# Altium PCB Task with ESP32.PcbDoc
Units mm, origin at the board's own origin, x right, y up, seen from the top; angles counter-clockwise.
Board outline 100 x 45 mm, 3 copper layers (Top Layer, Mid-Layer 2, Bottom Layer), stack 1.927 mm thick; 62 components, 55 nets, 251 pads, 129 vias.
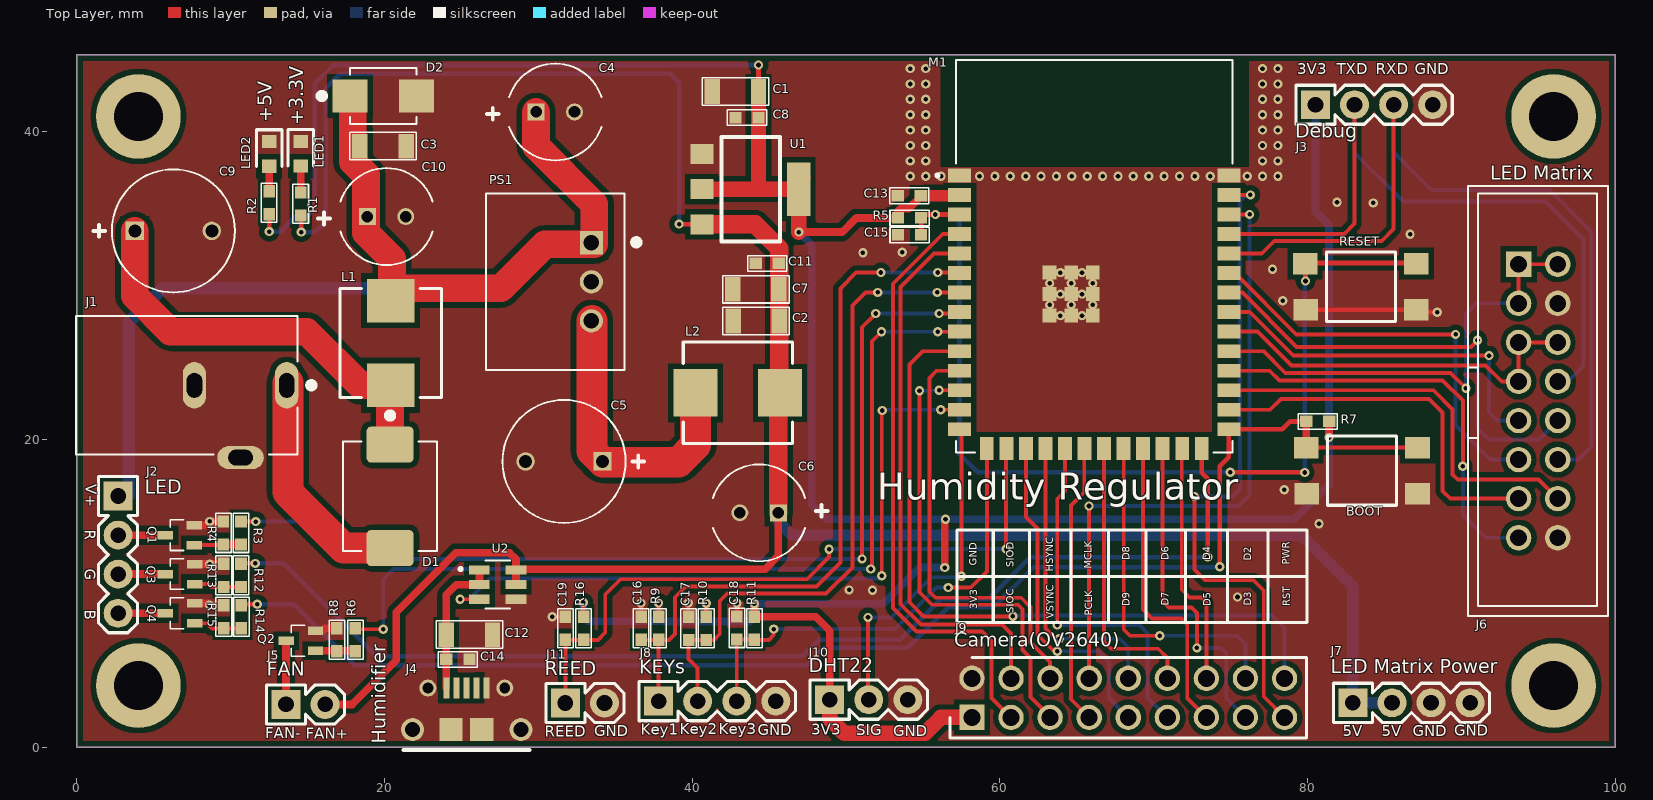
[diagram p0: Top Layer view]
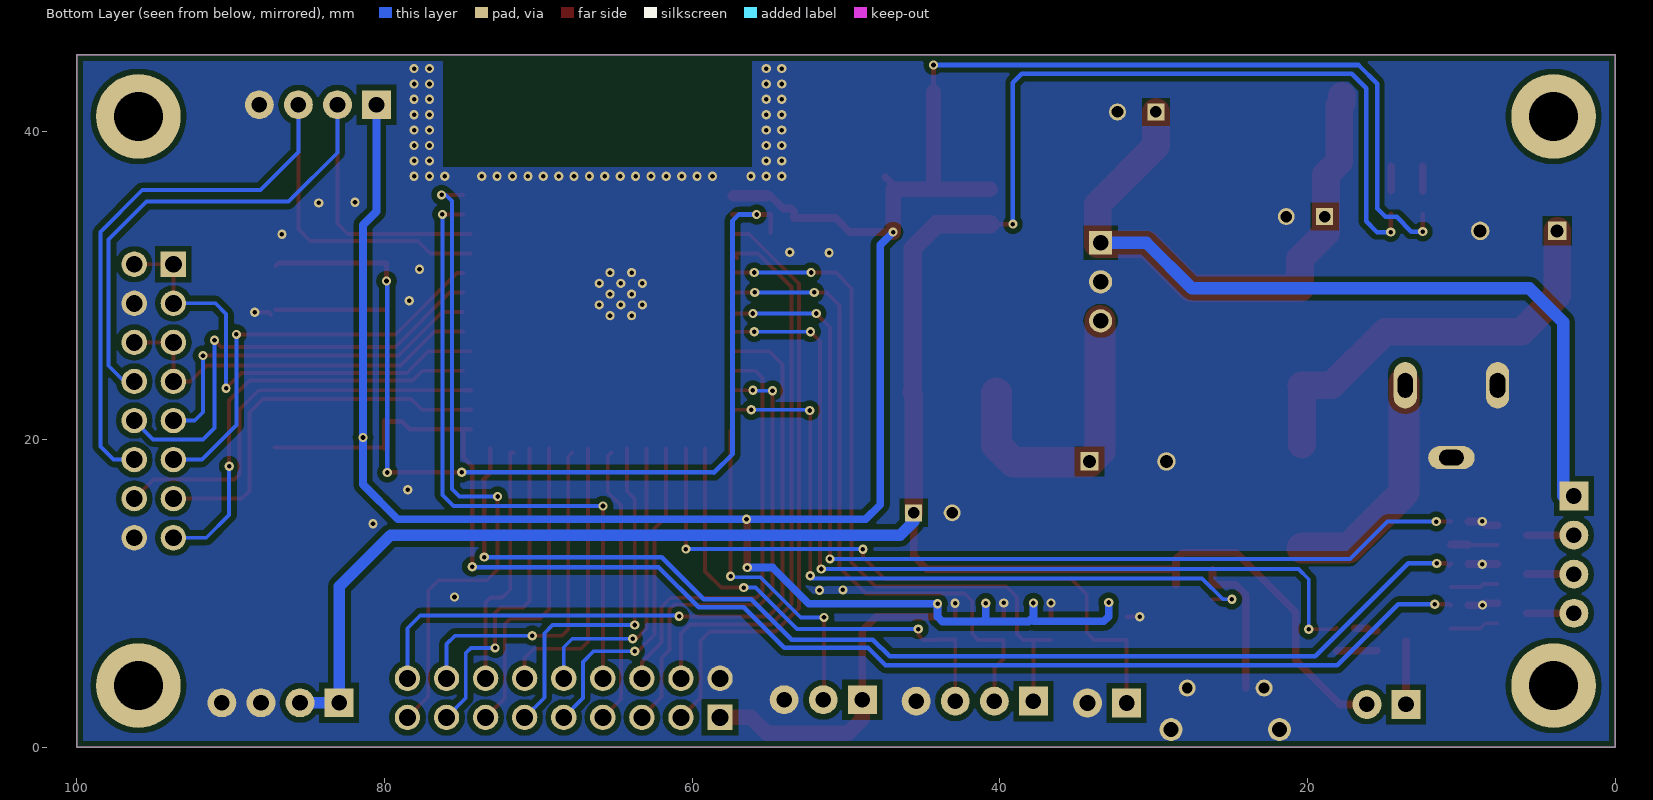
[diagram p1: Bottom Layer view, seen from below]
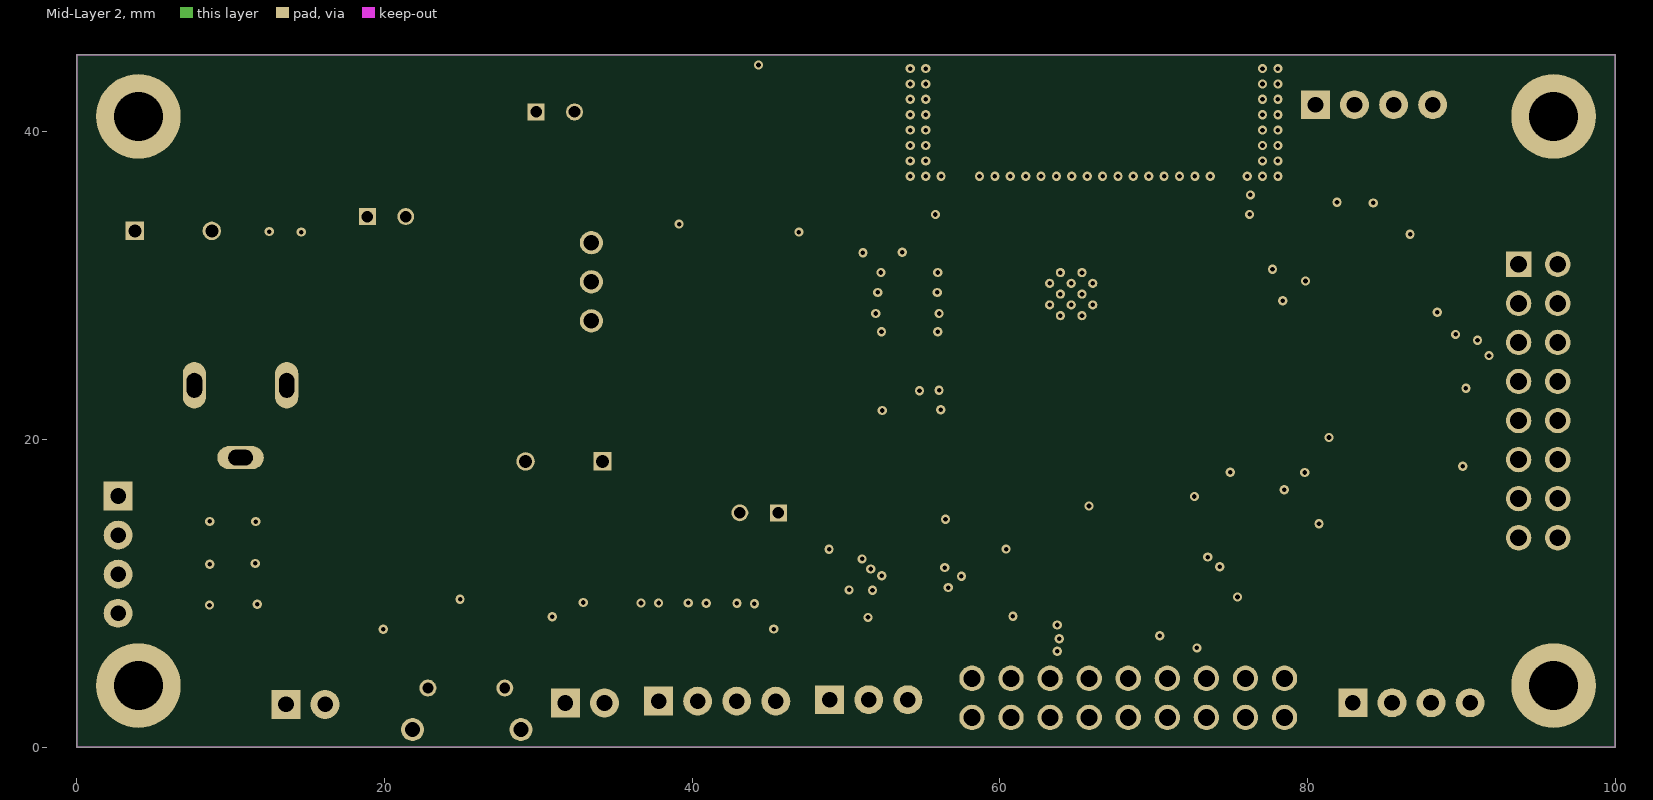
[diagram p2: Mid-Layer 2]
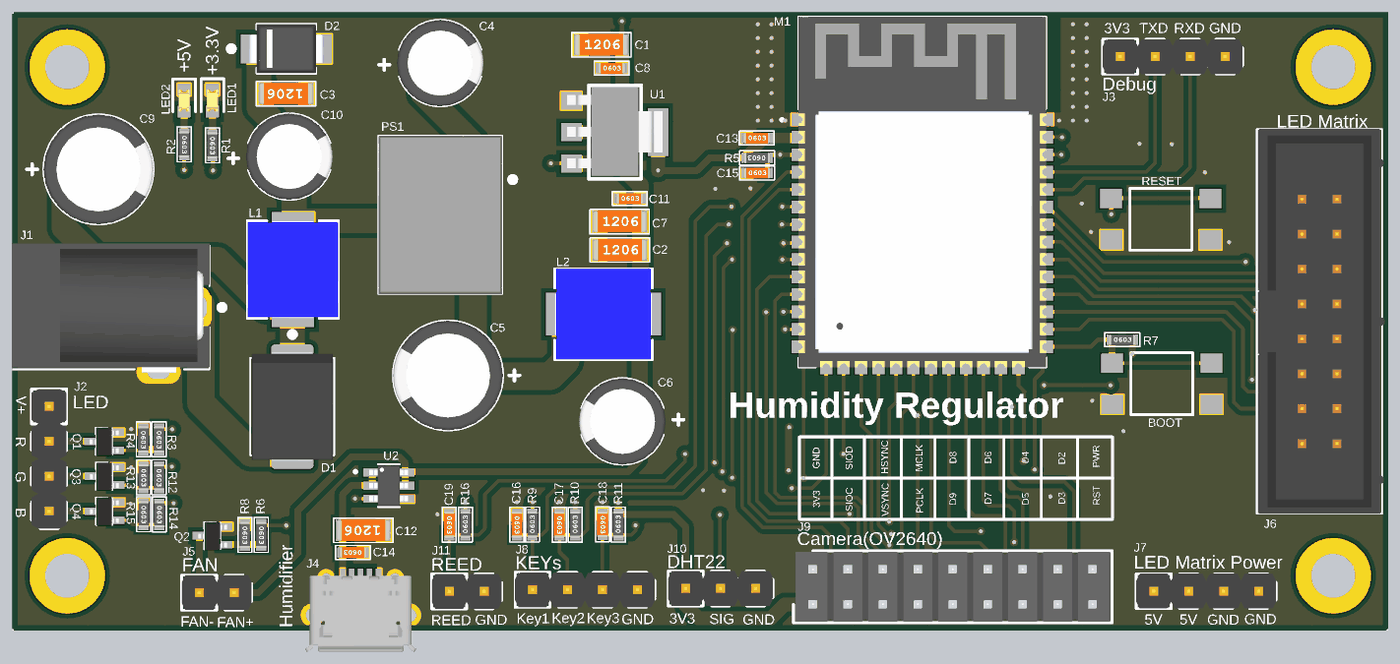
[diagram p3: 3D render of the assembled board from above, using the file's embedded part models]

## Layer stack, top to bottom
Top Solder: solder mask 0.0102, Solder Resist, Dk 3.5
Top Layer: signal copper 0.0356
Dielectric 1: dielectric 1.5, FR-4, Dk 4.8
Mid-Layer 2: signal copper 0.0356
Dielectric2: dielectric 0.32, FR-4, Dk 4.8
Bottom Layer: signal copper 0.0356
Bottom Solder: solder mask 0.0102, Solder Resist, Dk 3.5

## Board outline
0,0 100,0 100,45 0,45

## Design rules (kind name [scope] priority, off if disabled: settings)
AssemblyTestPointUsage AssemblyTestPointUsage_1 [All] p1:
AssemblyTestpoint AssemblyTestpoint_1 [All] p1: testpointundercomponent=TRUE minsize=1.016 maxsize=2.54 preferedsize=1.524 minholesize=0 maxholesize=1.016 preferedholesize=0.813 testpointgrid=0.025 usegrid=TRUE gridtolerance=0 allowsidetop=TRUE allowsidebottom=TRUE
Clearance Clearance_Breakout [isVia and (ViaDiameter=0.1) or isPad vs OnLayer('Keep-Out Layer')] p1: gap=0 ignorepadtopadclearanceinfootprint=FALSE
Clearance Clearance_1 [All] p2: gap=0.35 ignorepadtopadclearanceinfootprint=FALSE except(0.2: Arc-Arc Arc-Track Arc-SMDPad Arc-THPad Arc-Via Track-Track Track-SMDPad Track-THPad Track-Via SMDPad-SMDPad SMDPad-THPad SMDPad-Via THPad-THPad THPad-Via Via-Via)
ComponentClearance ComponentClearance_1 [All] p1: gap=0.254 collisioncheckmode=3 verticalgap=0.254 showdistances=FALSE
DiffPairsRouting DiffPairsRouting_1 [All] p1: maxlimit=0.254 minlimit=0.254 mostfreqgap=0.254 toplayer_minwidth=0.381 toplayer_maxwidth=0.381 toplayer_prefwidth=0.381 midlayer2_minwidth=0.381 midlayer2_maxwidth=0.381 midlayer2_prefwidth=0.381 bottomlayer_minwidth=0.381 bottomlayer_maxwidth=0.381 bottomlayer_prefwidth=0.381 maxuncoupledlength=12.7
FabricationTestPointUsage FabricationTestPointUsage_1 [All] p1: valid=0 allowmultiple=FALSE
FabricationTestpoint FabricationTestpoint_1 [All] p1: side=3 testpointundercomponent=TRUE minsize=1.016 maxsize=2.54 preferedsize=1.524 minholesize=0 maxholesize=1.016 preferedholesize=0.813 testpointgrid=0.025 allowsidetop=TRUE allowsidebottom=TRUE usegrid=TRUE gridtolerance=0
FanoutControl Fanout_LCC_1 [IsLCC] p1: bgadir=Out bgaviamode=Centered fanoutstyle=Auto fanoutdirection=Alternating viagrid=0.025 // Fanout_LCC (Default Rule)
FanoutControl Fanout_BGA_1 [IsBGA] p2: bgadir=Out bgaviamode=Centered fanoutstyle=Auto fanoutdirection=Alternating viagrid=0.025 // Fanout_BGA (Default Rule)
FanoutControl Fanout_SOIC_1 [IsSOIC] p3: bgadir=Out bgaviamode=Centered fanoutstyle=Auto fanoutdirection=Alternating viagrid=0.025 // Fanout_SOIC (Default Rule)
FanoutControl Fanout_Default_1 [All] p4: bgadir=Out bgaviamode=Centered fanoutstyle=Auto fanoutdirection=Alternating viagrid=0.025 // Fanout_Default (Default Rule)
FanoutControl Fanout_Small_1 [(CompPinCount < 5)] p5: bgadir=Out bgaviamode=Centered fanoutstyle=Auto fanoutdirection=OutThenIn viagrid=0.025 // Fanout_Small (Default Rule)
Height Height_1 [All] p1: minheight=0 maxheight=25.4 prefheight=12.7
HoleSize HoleSize_1 [All] p1: absolutevalues=TRUE maxlimit=5 minlimit=0.3 maxpercent=80.000 minpercent=20.000
HoleToHoleClearance HoleToHoleClearance_1 [All] p1: gap=0.254 allowstackedmicrovias=TRUE
LayerPairs LayerPairs_1 [All] p1: enforce=TRUE
MinimumSolderMaskSliver MinimumSolderMaskSliver_1 [All] p1: minsoldermaskwidth=0.01
NetAntennae NetAntennae_1 [All] p1: netantennaetolerance=0
PasteMaskExpansion PasteMaskExpansion_1 [All] p1: expansion=0
PlaneClearance PlaneClearance_1 [All] p1: clearance=0.508
PlaneConnect PlaneConnect_1 [All] p1: planeconnectstyle=Relief reliefexpansion=0.508 reliefentries=4 reliefconductorwidth=0.254 reliefairgap=0.254
PolygonConnect PolygonConnect_1 [All] p1: connectstyle=Direct reliefconductorwidth=0.5 reliefentries=4 polygonreliefangle="90 Angle" airgapwidth=0.5
RoutingCorners RoutingCorners_1 [All] p1: cornerstyle=45-Degree minsetback=2.54 maxsetback=2.54
RoutingLayers RoutingLayers_1 [All] p1: top layer_v5=TRUE mid layer 2_v5=TRUE bottom layer_v5=TRUE
RoutingPriority RoutingPriority_1 [All] p1: routingpriority=0
RoutingTopology RoutingTopology_1 [All] p1: topology=Shortest
RoutingVias RoutingVias_1 [All] p1: holewidth=0.4 width=0.8 viastyle="Through Hole" minholewidth=0.3 minwidth=0.6 maxholewidth=3 maxwidth=6
ShortCircuit ShortCircuit_1 [All] p1: allowed=FALSE
SilkToBoardRegionClearance SilkToBoardRegionClearance_1 [All] p2:
SilkToBoardRegionClearance SilkToBoardRegionClearance_2 [All] p3:
SilkToBoardRegionClearance SilkToBoardRegionClearance_1_1 [All] p4:
SilkToSilkClearance SilkToSilkClearance_1 [All] p1: silktosilkclearance=0.01
SilkToSolderMaskClearance SilkToSolderMaskClearance_1 [IsPad] p1: minsilkscreentomaskgap=0 clearancetoexposedcopper=TRUE
SolderMaskExpansion SolderMaskExpansion_1 [All] p1: expansion=0.102
UnRoutedNet UnRoutedNet_1 [All] p1:
UnpouredPolygon UnpouredPolygon_1 [All] p1:
Width Width_1 [All] p1: maxlimit=2 minlimit=0.2 preferedwidth=0.5
1 further rules are at their usual default settings.

## Components (designator, comment, footprint, x,y, rotation, side; value= is the part's Value field where it differs from the comment)
BOOT "TL3305BF260QG" SW_TL3305BF260QG 83.55,17.97 r180 top
C1 "10u" C1206 42.814,42.62 r0 top
C2 "10u" C1206 44.16,27.7 r0 top
C3 "10u" C1206 19.9,39.07 r180 top
C4 "100uF" CAP_EEUFC1E101S 31.1,41.29 r0 top
C5 "270uF" CAP_EEU-FK1E271B 31.67,18.57 r180 top
C6 "100uF" CAP_EEUFC1E101S 44.35,15.23 r180 top
C7 "10u" C1206 44.14,29.76 r0 top
C8 "100nF" C0603 43.564,40.92 r0 top
C9 "270uF" CAP_EEU-FK1E271B 6.27,33.56 r0 top
C10 "100uF" CAP_EEUFC1E101S 20.13,34.49 r0 top
C11 "100nF" C0603 44.88,31.44 r0 top
C12 "10u" C1206 25.52,7.31 r180 top
C13 "100nF" C0603 54.11,35.84 r0 top
C14 "100nF" C0603 24.77,5.7 r180 top
C15 "100nF" C0603 54.13,33.294 r0 top
C16 "100nF" C0603 36.676,7.724 r270 top
C17 "100nF" C0603 39.766,7.714 r270 top
C18 "100nF" C0603 42.906,7.744 r270 top
C19 "100nF" C0603 31.76,7.72 r270 top
D1 "B540C-13-F" DO-214AB2 20.36,16.305 r270 top
D2 "SMBJ20A" DO-214AA2 19.92,42.33 r0 top
J1 "PJ-102A" CUI_PJ-102A 7.14,23.52 r180 top
J2 "61300411121" 61300411121 2.68,13.78 r270 top
J3 "Debug" 61300411121 83.06,41.76 r0 top value=61300411121
J4 "10118194-0001LF" 10118194-0001LF 25.345,2.49 r180 top
J5 "61300211121" 61300211121 16.134,2.774 r0 top
J6 "61201621621" 61201621621 95,22.5 r270 top locked
J7 "61300411121" 61300411121 85.495,2.88 r0 top
J8 "61300411121" 61300411121 40.356,2.984 r0 top
J9 "61301821121" 61301821121 58.19,1.93 r0 top
J10 "61300311121" 61300311121 51.48,3.08 r0 top
J11 "61300211121" 61300211121 34.3,2.87 r0 top
L1 "22uH/2.9A" IND_SRP6030 20.4,26.27 r90 top
L2 "22uH/2.9A" IND_SRP6030 42.97,23.03 r0 top
LED1 "SML-D12U1WT86" LED0603 14.55,38.57 r270 top
LED2 "SML-D12U1WT86" LED0603 12.5,38.56 r270 top
M1 "ESP32-S3-WROOM-1-N8" ESP32-S3-WROOM-1-N8 66.14,31.908 r0 top locked
PS1 "P7805-2000-S" CONV_P7805-2000-S 33.45,30.25 r270 top
Q1 "BSS138PW,115" SOT323-3 6.69,13.78 r90 top
Q2 "BSS138PW,115" SOT323-3 14.565,6.918 r90 top
Q3 "BSS138PW,115" SOT323-3 6.7,11.25 r90 top
Q4 "BSS138PW,115" SOT323-3 6.7,8.7 r90 top
R1 "1k" R0603 14.55,35.31 r270 top
R2 "510R" R0603 12.5,35.38 r270 top
R3 "220R" R0603 10.67,13.92 r270 top
R4 "10k" R0603 9.53,13.92 r270 top
R5 "10k" R0603 54.13,34.4 r180 top
R6 "1k" R0603 18.105,6.978 r270 top
R7 "10k" R0603 80.67,21.17 r0 top
R8 "10k" R0603 16.905,6.978 r270 top
R9 "10k" R0603 37.816,7.724 r90 top
R10 "10k" R0603 40.916,7.714 r90 top
R11 "10k" R0603 44.046,7.724 r90 top
R12 "220R" R0603 10.67,11.16 r270 top
R13 "10k" R0603 9.55,11.16 r270 top
R14 "220R" R0603 10.69,8.47 r270 top
R15 "10k" R0603 9.55,8.48 r270 top
R16 "10k" R0603 32.94,7.72 r90 top
RESET "TL3305BF260QG" SW_TL3305BF260QG 83.48,29.93 r180 top
U1 "NCV1117ST33T3G" SOT223-3 40.63,38.556 r270 top
U2 "SIP32508DT-T1-GE3" TSOT23-6 27.36,10.56 r270 top

## Footprints (in the part's own frame and the unit in brackets; to place one, negate y for a bottom-side part, rotate by r counter-clockwise, add the part's x,y. Pads: shape width x height; smd on the part's side, far side on the other; paste and mask are expansions set on the pad)
10118194-0001LF [mm] "CONN USB MICRO B RECPT SMT R/A"
  rect 0.4x1.35 smd: 1(1.325,-1.35) 2(0.675,-1.35) 3(0.025,-1.35) 4(-0.625,-1.35) 5(-1.275,-1.35)
  round 1.5 hole 1: 6(-3.525,1.35) 6(3.525,1.35)
  round 1.1 hole 0.7: 6(-2.475,-1.35) 6(2.525,-1.35)
  rect 1.5x1.5 smd: 6(-0.975,1.35) 6(1.025,1.35)
  silkscreen extent -4.1,2.67 4.13,2.67, body extent -4,-1.55 4.05,4.03, height 2.73
61201621621 [mm]
  rect 1.65x1.65 hole 1.1: 1(-8.89,-1.27)
  round 1.65 hole 1.1: 2(-8.89,1.27) 3(-6.35,-1.27) 4(-6.35,1.27) 5(-3.81,-1.27) 6(-3.81,1.27) 7(-1.27,-1.27) 8(-1.27,1.27) 9(1.27,-1.27) 10(1.27,1.27) 11(3.81,-1.27) 12(3.81,1.27) 13(6.35,-1.27) 14(6.35,1.27) 15(8.89,-1.27) 16(8.89,1.27)
  silkscreen extent -13.99,-4.55 13.99,4.55, body extent -13.99,-4.42 13.99,4.75, height 9.43
61300211121 [mil]
  rect 74x74 hole 40: 1(-100,0)
  round 74 hole 40: 2(0,0)
  silkscreen extent -150,-50 50,50, body extent -150,-50 50,50, height 286
61300311121 [mil]
  rect 74x74 hole 40: 1(-100,0)
  round 74 hole 40: 2(0,0) 3(100,0)
  silkscreen extent -150,-50 150,50, body extent -150,-50 150,50, height 341
61300411121 [mil]
  rect 74x74 hole 40: 1(-100,0)
  round 74 hole 40: 2(0,0) 3(100,0) 4(200,0)
  silkscreen extent -150,-50 250,50, body extent -150,-50 250,50, height 341
61301821121 [mm]
  rect 1.65x1.65 / inner round 1.65 / far side rect 1.65x1.65 hole 1.1: 1(0,0)
  round 1.65 hole 1.1: 2(0,2.54) 3(2.54,0) 4(2.54,2.54) 5(5.08,0) 6(5.08,2.54) 7(7.62,0) 8(7.62,2.54) 9(10.16,0) 10(10.16,2.54) 11(12.7,0) 12(12.7,2.54) 13(15.24,0) 14(15.24,2.54) 15(17.78,0) 16(17.78,2.54) 17(20.32,0) 18(20.32,2.54)
  silkscreen extent -1.42,-1.35 21.74,3.89, body extent -1.27,-1.27 21.59,3.81, height 8.69
C0603 [mm] "CAPACITOR SMD 0603"
  rect 0.8x0.75 smd: 1(-0.75,0) 2(0.75,0)
  silkscreen extent -1.27,-0.51 1.27,0.51, body extent -1,-0.39 1,0.39, height 0.79
C1206 [mm] "CAPACITOR SMD 1206"
  rect 1x1.6 smd: 1(-1.5,0) 2(1.5,0)
  silkscreen extent -2.16,-0.89 2.16,0.89, body extent -2,-0.8 2,0.8, height 1.53
CAP_EEU-FK1E271B [mm]
  rect 1.2x1.2 hole 0.85: 1(-2.5,0)
  round 1.2 hole 0.85: 2(2.5,0)
  silkscreen extent -5.21,-4 4,4, body extent -4,-4 4,4, height 11.5
CAP_EEUFC1E101S [mm]
  rect 1.1x1.1 hole 0.75: 1(-1.25,0)
  round 1.1 hole 0.75: 2(1.25,0)
  silkscreen extent -4.44,-3.15 3,3.15, body extent -3.15,-3.15 3.15,3.15, height 11.2
CONV_P7805-2000-S [mm]
  rect 1.508x1.508 / inner round 1.508 / far side rect 1.508x1.508 hole 1: 1(-2.54,0)
  round 1.508 hole 1: 2(0,0) 3(2.54,0)
  silkscreen extent -5.75,-6.85 5.75,3.12, body extent -5.75,-6.84 5.75,2.16, height 17.6
CUI_PJ-102A [mm]
  oval 1.508x3.016 hole 1 slot 1.6 at 90 deg: 1(-6.5,0) 2(-0.5,0)
  oval 3.016x1.508 hole 1 slot 1.6 at 0 deg: 3(-3.5,4.7)
  silkscreen extent -8.3,-4.5 7.2,4.5, body extent -7.23,-4.64 7.17,4.76, height 11.5
DO-214AA2 [mm]
  rect 2.28x2.12 smd: A(2.165,0) C(-2.165,0)
  silkscreen extent -4.2,-1.81 2.16,1.81, body extent -2.72,-1.78 2.72,1.78, height 2.46
DO-214AB2 [mm]
  rrect25% 2.33x3.07 smd: A(3.365,0) C(-3.365,0)
  silkscreen extent -5.45,-3.05 3.55,3.05, body extent -3.97,-2.95 3.97,2.95, height 2.5
ESP32-S3-WROOM-1-N8 [mm]
  rect 1.5x0.9 smd: 1(-8.75,5.26) 2(-8.75,3.99) 3(-8.75,2.72) 4(-8.75,1.45) 5(-8.75,0.18) 6(-8.75,-1.09) 7(-8.75,-2.36) 8(-8.75,-3.63) 9(-8.75,-4.9) 10(-8.75,-6.17) 11(-8.75,-7.44) 12(-8.75,-8.71) 13(-8.75,-9.98) 14(-8.75,-11.25) 27(8.75,-11.25) 28(8.75,-9.98) 29(8.75,-8.71) 30(8.75,-7.44) 31(8.75,-6.17) 32(8.75,-4.9) 33(8.75,-3.63) 34(8.75,-2.36) 35(8.75,-1.09) 36(8.75,0.18) 37(8.75,1.45) 38(8.75,2.72) 39(8.75,3.99) 40(8.75,5.26)
  rect 0.9x1.5 smd: 15(-6.985,-12.5) 16(-5.715,-12.5) 17(-4.445,-12.5) 18(-3.175,-12.5) 19(-1.905,-12.5) 20(-0.635,-12.5) 21(0.635,-12.5) 22(1.905,-12.5) 23(3.175,-12.5) 24(4.445,-12.5) 25(5.715,-12.5) 26(6.985,-12.5)
  rect 0.9x0.9 smd: 41(-2.9,-3.86) 41(-2.9,-2.46) 41(-2.9,-1.06) 41(-1.5,-3.86) 41(-1.5,-2.46) 41(-1.5,-1.06) 41(-0.1,-3.86) 41(-0.1,-2.46) 41(-0.1,-1.06)
  round 0.6 hole 0.3 mask+0: 41(-2.9,-3.16) 41(-2.9,-1.76) 41(-2.2,-3.86) 41(-2.2,-2.46) 41(-2.2,-1.06) 41(-1.5,-3.16) 41(-1.5,-1.76) 41(-0.8,-3.86) 41(-0.8,-2.46) 41(-0.8,-1.06) 41(-0.1,-3.16) 41(-0.1,-1.76)
  silkscreen extent -10.3,-12.75 9,12.75, body extent -9,-12.75 9,12.75, height 3.25
IND_SRP6030 [mm]
  rect 2.85x3.1 smd: 1(-2.75,0) 2(2.75,0)
  silkscreen extent -3.55,-3.3 3.55,3.3, body extent -3.55,-3.3 3.55,3.3, height 3
LED0603 [mm]
  rect 0.85x0.95 smd: A(0.8,0) C(-0.8,0)
  silkscreen extent -1.58,-0.82 0.8,0.82, body extent -0.8,-0.4 0.8,0.4, height 0.54
R0603 [mm] "RESISTOR SMD 0603"
  rect 0.8x0.75 smd: 1(-0.75,0) 2(0.75,0)
  silkscreen extent -1.27,-0.51 1.27,0.51, body extent -1,-0.39 1,0.39, height 0.79
SOT223-3 [mm]
  rect 1.3x1.5 smd: 1(0,0) 2(2.286,0) 3(4.572,0)
  rect 3.5x1.5 smd: 4(2.286,6.299)
  silkscreen extent -1.12,1.27 5.69,5.08, body extent -1,-0.3 5.5,6.63, height 1.64
SOT323-3 [mm]
  rect 0.55x1 smd: 1(-0.65,-0.95) 2(0.65,-0.95) 3(0,0.95)
  silkscreen extent -1,-0.25 1,0.62, body extent -1.08,-1.05 1.02,1.05, height 0.93
SW_TL3305BF260QG [mm]
  rect 1.6x1.4 smd: 1(-3.6,-1.5) 1(3.63,-1.5) 2(-3.6,1.5) 2(3.6,1.5)
  silkscreen extent -2.25,-2.25 2.25,2.25
TSOT23-6 [mm] "SOT23 semtech SM712"
  rect 0.59x1.34 smd: 1(-0.95,-1.19) 2(0,-1.19) 3(0.95,-1.19) 4(0.95,1.19) 5(0,1.19) 6(-0.95,1.19)
  silkscreen extent -1.56,-2.52 1.56,0.8, body extent -1.45,-1.4 1.45,1.4, height 1

## Part data
BOOT RESET: "SWITCH TACTILE SPST-NO 0.05A 12V", Manufacturer=E-Switch, Supplier Part Number=612-TL3305BF260QG, Manufacturer Part Number=TL3305BF260QG, Price=0.25, Supplier=Mouser
C1 C2 C3 C7 C12: library part "10uF ± 10% 25V", "10uF ± 10% 25V", Manufacturer=Yageo, Manufacturer Part Number=CC1206KKX7R8BB106, Supplier Part Number=603-CC126KKX7R8BB106, Tolerance=+-10%, Voltage (V)=25, Category=Capacitor, Price=0.44, Supplier=Mouser, Type=X7R
C4 C6 C10: library part EEU-FC1E101S, "CAP ALUM 100UF 20% 25V SMD", Manufacturer=Panasonic, Supplier Part Number=667-EEU-FC1E101S, Manufacturer Part Number=EEU-FC1E101S, Price=0.4, Supplier=Mouser
C5 C9: library part EEU-FC1E271B, "CAP ALUM 270UF 20% 25V SMD", Manufacturer=Panasonic, Supplier Part Number=667-EEU-FC1E271B, Manufacturer Part Number=EEU-FC1E271B, Price=0.7, Supplier=Mouser
C8 C11 C13 C14 C15 C16 C17 C18 C19: library part "100nF ± 10% 50V", "100nF ± 10% 50V", Manufacturer=Yageo, Manufacturer Part Number=CC0603KRX7R9BB104, Supplier Part Number=603-CC603KRX7R9BB104, Price=0.1, Supplier=Mouser
D1: "Schottky Diodes & Rectifiers 40V 5A", Manufacturer=Diodes, Supplier Part Number=621-B540C-F, Manufacturer Part Number=B540C-13-F, Price=0.5, Supplier=Mouser
D2: library part ZM4746A-GS08, "ESD Suppressors / TVS Diodes 600W, 23.4V, 5%, Unidirectional, TVS", Manufacturer=Littelfuse, Supplier Part Number=576-SMBJ20A, Manufacturer Part Number=SMBJ20A, Price=0.35, Supplier=Mouser
J1: "CONN PWR JACK 2X5.5MM SOLDER", Manufacturer="CUI Devices", Supplier Part Number=490-PJ-102A, Manufacturer Part Number=PJ-102A, Price=0.8, Supplier=Mouser
J2 J7 J8: "Headers & Wire Housings WR-PHD 2.54mm Hdr 4P Single Gold", Manufacturer=Mouser, Supplier Part Number=710-61300411121, Manufacturer Part Number=61300411121, Price=0.5, Supplier=Mouser
J3: library part 61300411121, "Headers & Wire Housings WR-PHD 2.54mm Hdr 4P Single Gold", Manufacturer=Mouser, Supplier Part Number=710-61300411121, Manufacturer Part Number=61300411121, Price=0.5, Supplier=Mouser
J4: "CONN RCPT USB2.0 MICRO B SMD R/A", Color=Black, Current Rating=1.8A, Flammability Rating="UL94 V-0", Insulation Resistance=1GR, Manufacturer="Amphenol FCI", Max Operating Temperature=85°C, Max Voltage Rating (AC)=100V, Min Operating Temperature=-55°C, Package Quantity=9600, Supplier Part Number=649-10118194-0001LF, ComponentLink1Description=http://www.amphenol-icc.com/media/wysiwyg/files/drawing/10118194.pdf?src-supplier=Digi-Key, ComponentLink1URL=http://www.amphenol-icc.com/media/wysiwyg/files/drawing/10118194.pdf?src-supplier=Digi-Key, ComponentLink2Description=https://cdn.amphenol-icc.com/media/wysiwyg/files/drawing/10118194.pdf?src-supplier=Mouser, ComponentLink2URL=https://cdn.amphenol-icc.com/media/wysiwyg/files/drawing/10118194.pdf?src-supplier=Mouser, ComponentLink3Description=https://cdn.amphenol-icc.com/media/wysiwyg/files/drawing/10118194.pdf?src-supplier=Avnet, ComponentLink3URL=https://cdn.amphenol-icc.com/media/wysiwyg/files/drawing/10118194.pdf?src-supplier=Avnet, ComponentLink4Description=https://cdn.amphenol-icc.com/media/wysiwyg/files/drawing/10118194.pdf?src-supplier=Verical, ComponentLink4URL=https://cdn.amphenol-icc.com/media/wysiwyg/files/drawing/10118194.pdf?src-supplier=Verical, Connector Type=USB,Receptacle, Contact Material="Copper Alloy", Contact Plating=Gold, Depth=5mm, Features=Shielded, Gender=Receptacle, Housing Material=Polymer, Lead Free="Lead Free", Length=8.05mm, Manufacturer Part Number=10118194-0001LF, Mount="Surface Mount,Horizontal", Number of Contacts=5, Number of Ports=1, Number of Terminals=5, Orientation="Right Angle", Packaging="Tape and Reel", Pitch=0.65mm, Price=0.5, Radiation Hardening=No, Stock 1=145984, Supplier=Mouser, Termination=Solder
J5 J11: "Headers & Wire Housings WR-PHD 2.54mm Hdr 2P Single Gold", Manufacturer=Mouser, Supplier Part Number=710-61300211121, Manufacturer Part Number=61300211121, Price=0.5, Supplier=Mouser
J6: "Connector Header Through Hole 16 position 0.100 (2.54mm)", Manufacturer="Wurth Electronics", Supplier Part Number=710-61201621621, Manufacturer Part Number=61201621621, Price=0.6, Supplier=Mouser
J9: "Headers & Wire Housings WR-PHD 2.54mm Hdr 18 P Dual Str Gold", Manufacturer="Wurth Electronics", Supplier Part Number=710-61301821121, Manufacturer Part Number=61301821121, Price=1.2, Supplier=Mouser
J10: "Headers & Wire Housings WR-PHD 2.54mm Hdr 3P Single Gold", Manufacturer=Mouser, Supplier Part Number=710-61300311121, Manufacturer Part Number=61300311121, Price=0.5, Supplier=Mouser
L1 L2: library part SRP6030WA-220M, "Power Inductors - SMD Ind,7.1x6.6x2.8mm,22uH+/-20%,2.9A,shd", Manufacturer=Bourns, Supplier Part Number=652-SRP6030WA-220M, Manufacturer Part Number=SRP6030WA-220M, Price=1.2, Supplier=Mouser
LED1 LED2: "Typical RED GaAs LED", Manufacturer="Rohm Semiconductor", Supplier Part Number=755-SML-D12U1WT86, Manufacturer Part Number=SML-D12U1WT86, Price=0.2, Supplier=Mouser
M1: "Bluetooth, WiFi 802.11b/g/n, Bluetooth v5.0 Transceiver Module 2.4GHz PCB Trace Surface Mount", Manufacturer="Espressif Systems", Supplier Part Number=356-ESP32-S3WROOM1N8, Manufacturer Part Number=ESP32-S3-WROOM-1-N8, Price=3.45, Supplier=Mouser
PS1: "2 A Output Current, 6~36 Vdc Input, SIP, Non-Isolated, Dc-Dc Converter", Manufacturer="CUI Inc.", Supplier Part Number=490-P7805-2000-S, Manufacturer Part Number=P7805-2000-S, Price=6.5, Supplier=Mouser
Q1 Q2 Q3 Q4: "MOSFET, N CH, 60V, 0.2A", Manufacturer=Nexperia, Supplier Part Number=771-BSS138PW115, Manufacturer Part Number=BSS138PW,115, Price=0.3, Supplier=Mouser
R1 R6: library part "1 kOhms ±1% 0.1W", "1 kOhms ±1% 0.1W", Manufacturer=Yageo, Manufacturer Part Number=RC0603FR-071KL, Supplier Part Number=603-RC0603FR-071KL, Price=0.1, Supplier=Mouser
R2: library part "510 Ohm ±1% 0.1W", "510 Ohm ±1% 0.1W", Manufacturer=Yageo, Manufacturer Part Number=RC0603FR-07510RL, Supplier Part Number=603-RC0603FR-07510RL, Price=0.1, Supplier=Mouser
R3 R12 R14: library part "220 Ohm ±1% 0.1W", "220 Ohm ±1% 0.1W", Manufacturer=Yageo, Manufacturer Part Number=RC0603FR-07220RL, Supplier Part Number=603-RC0603FR-07220RL, Price=0.1, Supplier=Mouser
R4 R5 R7 R8 R9 R10 R11 R13 R15 R16: library part "10 kOhms ±1% 0.1W", "10 kOhms ±1% 0.1W", Manufacturer=Yageo, Manufacturer Part Number=RC0603FR-0710KL, Supplier Part Number=603-RC0603FR-0710KL, Price=0.1, Supplier=Mouser
U1: "LDO Voltage Regulators 3.3V 1.0A Automotive", Manufacturer=onsemi, Supplier Part Number=863-NCV1117ST33T3G, Manufacturer Part Number=NCV1117ST33T3G, Price=0.7, Supplier=Mouser
U2: "Power Switch ICs - Power Distribution Slew Rate Controlled Load Switch", Manufacturer="Vishay / Siliconix", Supplier Part Number=78-SIP32508DT-T1-GE3, Manufacturer Part Number=SIP32508DT-T1-GE3, Price=0.6, Supplier=Mouser

## Free pads (board coordinates)
  round 5.5 hole 3.2: ""(4,4) ""(4,41) ""(96,4) ""(96,41)

## Via types
v1: diameter 0.6, hole 0.3, Top Layer to Bottom Layer, tented both sides, 129 vias

## Nets (pads, with @x,y where several pads share a name; then routed paths per layer and width w, separated by ;. In a path a pad name is that pad's centre, name@x,y a point inside that pad or via, vN(x,y) a via of type N, cw(c..) or ccw(c..) an arc to the next point about the centre after c; other vN are vias at no path point)
3V3: C1.2 C8.2 C13.2 J3.1 J9.1 J10.1 M1.2 R2.2 R5.2 R7.2 R9.2 R10.2 R11.2 R16.2 U1.2 U1.4 | length 207.8
  Top Layer w0.3: v1(12.5,33.51) R2.2 ; v1(32.92,9.4) 32.92,8.49 R16.2 ; R9.2 v1(37.816,9.364) ; R10.2 v1(40.916,9.354) ; v1(44.31,44.34) 44.31,42.704 44.27,42.664 C1.2
  Top Layer w0.5: v1(44.046,9.314) R11.2 48.026,8.474 48.94,7.56 J10.1 ; U1.4@46.9,36.241 U1.4 46.929,36.55 U1.4@47.429,37.05 ; v1(46.94,33.48) 49.76,33.48 50.68,34.4 R5.2 53.38,34.82 53.575,35.015 54.084,35.015 54.913,35.844 C13.2@55.144,35.844 ; v1(56.42,11.67) 56.42,14.76 v1(56.47,14.81) ; M1.2@57.336,35.844 M1.2 ; v1(81.4,20.13) 81.4,21.15 R7.2
  Top Layer w0.75: C13.2@55.144,35.844 M1.2@57.336,35.844
  Top Layer w1: U1.2 44.41,36.27 ; C1.2 C8.2 44.314,36.366 44.41,36.27 ; U1.4@46.9,36.241 46.94,36.201 v1(46.94,33.48) ; U1.4 44.41,36.27 ; J10.1 48.94,1.84 49.88,0.9 55.14,0.9 56.17,1.93 J9.1
  Bottom Layer w0.3: v1(12.5,33.51) 13.24,33.51 14.2,34.47 14.93,34.47 15.476,35.016 15.476,43.136 16.68,44.34 v1(44.31,44.34)
  Bottom Layer w0.5: v1(32.92,9.4) 32.92,8.49 33.236,8.174 37.804,8.174 ; v1(37.816,9.364) 37.816,8.474 38.126,8.164 41.116,8.164 ; v1(40.916,9.354) 40.916,8.364 41.116,8.164 ; v1(44.046,9.314) 44.046,8.464 43.726,8.144 43.706,8.164 41.116,8.164 ; v1@44.046,9.324 52.414,9.324 54.76,11.67 v1(56.42,11.67) ; v1(46.94,33.48) 47.78,32.64 47.78,15.76 48.73,14.81 v1(56.47,14.81) 79.14,14.81 81.4,17.07 v1(81.4,20.13) 81.4,33.94 80.52,34.82 J3.1
+5V: C2.2 C6.1 C7.2 C11.2 J5.2 J7.1 J7.2 L2.2 R1.2 U1.3 U2.5 U2.6 | length 159
  Top Layer w0.3: R1.2@14.55,34.67 14.59,34.63 v1(14.59,33.48) ; v1(39.15,34) 40.574,34 40.594,34.02 U1.3
  Top Layer w0.5: J5.2 17.894,2.774 20.76,5.64 20.76,8.76 24.64,12.64 28.12,12.64 28.55,12.21 U2.6 U2.5 ; U2.6@28.55,11.57 44.74,11.57 45.6,12.43 C6.1
  Top Layer w1.2: U1.3 44.086,33.984 45.66,32.41 C2.2 L2.2@45.66,23.09 ; C6.1 45.6,22.91 L2.2
  Bottom Layer w0.3: v1(14.59,33.48) 15.48,33.48 16.19,34.19 16.19,42.84 17.12,43.77 38.58,43.77 39.15,43.2 v1(39.15,34)
  Bottom Layer w0.75: C6.1 45.6,14.66 46.49,13.77 79.61,13.77 82.93,10.45 82.93,3 83.05,2.88 J7.2
+5V_Humi: C12.2 C14.2 J4.1 U2.1 U2.2 | length 9.4
  Top Layer w0.5: J4.1 C12.2 24.02,9.91 24.67,10.56 U2.2 U2.1
+12V: C3.2 C4.1 C10.1 D2.C J2.1 L1.2 PS1.1 | length 81
  Top Layer w1.8: D2.C D2.C@17.773,42.33 ; D2.C@17.773,41.85 17.933,41.69 17.933,38.057 18.79,37.2 18.79,33.44 20.49,31.74 20.49,29.82 27.38,29.82 ; 27.55,29.82 30.41,32.68 33.64,32.68 33.64,35.29 29.85,39.08 C4.1
  Bottom Layer w0.8: J2.1@3.38,16.32 3.38,27.63 5.57,29.82 27.51,29.82 30.48,32.79 PS1.1
CAM_HSYNC: J9.6 M1.11 | length 28.2
  Top Layer w0.25: M1.11 55.888,24.468 55.425,24.005 55.425,10.095 55.81,9.71 61.39,9.71 62,9.1 62,6.81 63.27,5.54 J9.6
CAM_PWR: J9.18 M1.10 | length 47.5
  Top Layer w0.25: M1.10 54.998,25.738 54.13,24.87 54.13,9.42 55.05,8.5 v1(60.85,8.5)
  Bottom Layer w0.25: v1(60.85,8.5) 60.915,8.565 77.675,8.565 78.51,7.73 J9.18
CAM_RST: J9.17 M1.39 | length 42.8
  Top Layer w0.25: v1(72.65,16.29) 72.65,11.535 73.335,10.85 76.49,10.85 77.16,10.18 77.16,3.28 J9.17 ; M1.39 v1(76.288,35.898)
  Bottom Layer w0.25: v1(72.65,16.29) 75.13,16.29 75.61,16.77 75.61,35.49 76.018,35.898 v1(76.288,35.898)
CAM_SIOC: J9.3 M1.4 | length 39.6
  Top Layer w0.25: 53.05,9.03 53.05,30.12 56.288,33.358 M1.4
  Top Layer w0.254: 53.05,9.03 54.57,7.51 58.86,7.51 59.47,6.9 59.47,3.19 J9.3
CAM_SIOD: J9.4 M1.5 | length 36.7
  Top Layer w0.25: M1.5@57.096,31.794 M1.5 55.728,32.088 53.55,29.91 53.55,9.29 54.87,7.97 60.14,7.97 60.73,7.38 J9.4
CAM_VSYNC: J9.5 M1.12 | length 30.7
  Top Layer w0.25: v1(54.78,23.17) 54.78,10.07 55.6,9.25 61.19,9.25 61.48,8.96 61.48,6.3 62,5.78 62,3.25 63.27,1.98 J9.5 ; v1(56.05,23.198) M1.12
  Bottom Layer w0.25: v1(54.78,23.17) 56.022,23.17 v1(56.05,23.198)
CSI_D2: J9.16 M1.22 | length 22.4
  Top Layer w0.25: M1.22@67.795,19.15 68.055,18.89 68.055,7.645 68.46,7.24 v1(70.39,7.24) ; J9.16@75.985,4.485 J9.16 75.89,4.55 J9.16@76,4.66
  Bottom Layer w0.25: v1(70.39,7.24) 75.42,7.24 75.97,6.69 J9.16
CSI_D3: J9.15 M1.24 | length 21.5
  Top Layer w0.25: J9.15 J9.15@75.97,1.95
  Top Layer w0.254: M1.24 70.585,9.495 71.01,9.07 72.47,9.07 72.81,8.73 v1(72.81,6.45)
  Bottom Layer w0.254: v1(72.81,6.45) 74.38,6.45 74.72,6.11 74.72,3.18 J9.15
CSI_D4: J9.14 M1.25 | length 16
  Top Layer w0.25: M1.25@71.605,19.15 71.83,19.15 71.83,10.23 72.34,9.72 73.12,9.72 73.435,9.405 73.435,4.475 J9.14
CSI_D5: J9.13 M1.23 | length 20.3
  Top Layer w0.25: 72.18,7.997 72.18,3.18 J9.13
  Top Layer w0.254: M1.23 69.315,8.945 69.89,8.37 71.807,8.37 72.18,7.997
CSI_D6: J9.12 M1.21 | length 18.4
  Top Layer w0.25: M1.21 66.775,6.845 67.23,6.39 70.3,6.39 70.89,5.8 J9.12
CSI_D7: J9.11 M1.19 | length 23.8
  Top Layer w0.25: v1(63.73,7.94) 63.73,16.13 64.235,16.635 M1.19
  Bottom Layer w0.25: v1(63.73,7.94) 69.07,7.94 69.61,7.4 69.61,3.21 J9.11
CSI_D8: J9.10 M1.18 | length 19.6
  Top Layer w0.25: M1.18 62.965,7.705 63.63,7.04 v1(63.87,7.04)
  Bottom Layer w0.25: v1(63.87,7.04) 67.8,7.04 68.35,6.49 J9.10
CSI_D9: J9.9 M1.17 | length 21.9
  Top Layer w0.25: M1.17 61.695,14.965 62.45,14.21 62.45,7.3 63.52,6.23 v1(63.74,6.23)
  Bottom Layer w0.25: v1(63.74,6.23) 66.41,6.23 67.1,5.54 67.1,3.18 J9.9
CSI_MCLK: J9.8 M1.38 | length 41.5
  Top Layer w0.25: v1(65.8,15.67) 65.8,4.48 J9.8 ; M1.38 v1(76.238,34.628)
  Bottom Layer w0.25: v1(65.8,15.67) 65.805,15.665 75.525,15.665 76.238,16.378 v1(76.238,34.628)
CSI_PCLK: J9.7 M1.20 | length 18.2
  Top Layer w0.25: M1.20@65.255,19.15 65.49,18.915 65.49,16.57 64.62,15.7 64.62,3.171 64.594,3.146 J9.7
ESP32_RST: C15.2 M1.3 R5.1 RESET.1 | length 64.6
  Top Layer w0.3: C15.2@54.88,33.444 54.88,34.624 v1(55.81,34.624) 57.386,34.624 M1.3 ; v1(74.98,17.86) 79.77,17.86 v1@79.8,17.83 ; v1@79.82,17.83 v1@79.8,17.83 ; v1(79.82,17.85) v1@79.8,17.83 ; RESET.1@79.85,31.43 79.87,31.41 v1(79.87,30.3) ; RESET.1@79.85,31.47 86.91,31.47 RESET.1@87.08,31.3
  Bottom Layer w0.3: v1(55.81,34.624) 56.966,34.624 57.38,34.21 57.38,19.04 58.59,17.83 58.62,17.86 v1(74.98,17.86) ; v1(79.82,17.85) v1@79.82,30.25 ; v1@79.82,30.3 v1@79.82,30.25 ; v1(79.87,30.3) v1@79.82,30.25
FAN_con: M1.9 R6.1 | length 57.9
  Top Layer w0.25: R6.1 18.115,7.738 18.193,7.66 v1(19.92,7.66) ; v1(51.61,11.58) 51.695,11.665 51.695,26.385 v1(52.31,27) ; v1(55.97,27) 57.382,27 M1.9
  Bottom Layer w0.25: v1(19.92,7.66) 19.92,10.91 20.59,11.58 v1(51.61,11.58) ; v1(52.31,27) v1(55.97,27)
GND: BOOT.2 C1.1 C2.1 C3.1 C4.2 C5.2 C6.2 C7.1 C8.1 C9.2 C10.2 C11.1 C12.1 C13.1 C14.1 C15.1 C16.1 C17.1 C18.1 C19.1 D2.A J1.2 J1.3 J3.4 J4.5 J4.6 J6.4 J6.16 J7.3 J7.4 J8.4 J9.2 J10.3 J11.2 LED1.C LED2.C M1.1 M1.40 M1.41 PS1.2 Q1.2 Q2.2 Q3.2 Q4.2 R4.1 R8.1 R13.1 R15.1 RESET.2 U1.1 U2.4 | length 19.1
  Top Layer w0.3: v1(30.9,8.47) C19.1 ; C16.1 v1(36.676,9.364) ; v1(39.746,9.374) 39.746,8.484 C17.1 ; C18.1 v1(42.906,9.344) ; RESET.2@79.88,28.43 RESET.2@87.08,28.43 ; RESET.2@87.39,28.12 87.54,28.27 v1(88.43,28.27)
  Top Layer w0.5: Q1.2 8.4,14.43 v1(8.64,14.67) R4.1 ; Q4.2 8.5,9.35 v1(8.62,9.23) R15.1 ; Q3.2 9.54,11.9 R13.1 ; Q2.2 15.965,7.568 16.125,7.728 R8.1
  other v1: 75.45,9.76 51.72,10.19 50.2,10.22 8.64,11.88 80.75,14.52 78.49,16.73 78.4,29.01 77.73,31.07 51.1,32.14 53.65,32.17 86.67,33.34 84.27,35.38 81.92,35.42 54.18,37.11 55.18,37.11 56.18,37.11 58.68,37.11 59.68,37.11 60.68,37.11 61.68,37.11 62.68,37.11 63.68,37.11 64.68,37.11 65.68,37.11 66.68,37.11 67.68,37.11 68.68,37.11 69.68,37.11 70.68,37.11 71.68,37.11 72.68,37.11 73.68,37.11 76.08,37.11 77.08,37.11 78.08,37.11 54.18,38.11 55.18,38.11 77.08,38.11 78.08,38.11 54.18,39.11 55.18,39.11 77.08,39.11 78.08,39.11 54.18,40.11 55.18,40.11 77.08,40.11 78.08,40.11 54.18,41.11 55.18,41.11 77.08,41.11 78.08,41.11 54.18,42.11 55.18,42.11 77.08,42.11 78.08,42.11 54.18,43.11 55.18,43.11 77.08,43.11 78.08,43.11 54.18,44.11 55.18,44.11 77.08,44.11 78.08,44.11
humi&temp: J10.2 M1.14 | length 22.3
  Top Layer w0.25: v1(51.43,8.43) 51.43,3.55 51.36,3.48 51.58,3.26 51.44,3.12 J10.2 ; M1.14 57.5,20.548 v1(57.5,11.102)
  Bottom Layer w0.25: v1(51.43,8.43) 52.94,8.43 55.555,11.045 57.443,11.045 v1(57.5,11.102)
Humi_con: M1.13 U2.3 | length 45.4
  Top Layer w0.25: v1(24.91,9.61) U2.3 ; v1(52.32,11.14) 52.32,21.842 v1(52.358,21.88) ; v1(56.158,21.928) M1.13
  Bottom Layer w0.25: v1(24.91,9.61) 25.49,9.61 26.85,10.97 51.336,10.97 51.351,10.955 52.135,10.955 v1(52.32,11.14) ; v1(52.358,21.88) 52.246,21.88 52.198,21.928 v1(56.158,21.928)
Key1: C16.2 J8.1 M1.6 R9.1 | length 46.5
  Top Layer w0.254: C16.2 R9.1 ; J8.1 R9.1 ; v1(52.27,30.85) 50.66,30.85 49.63,29.82 49.63,11.99 48.08,10.44 39.58,10.44 38.882,9.742 38.882,7.35 38.506,6.974 R9.1 ; v1(55.96,30.85) 57.358,30.85 M1.6
  Bottom Layer w0.254: v1(52.27,30.85) v1(55.96,30.85)
Key2: C17.2 J8.2 M1.7 R10.1 | length 42.4
  Top Layer w0.254: J8.2 40.356,5.136 39.766,5.726 C17.2 R10.1 41.414,6.964 41.792,7.342 41.792,9.492 42.28,9.98 48.71,9.98 50.418,11.688 50.418,28.698 51.28,29.56 v1(52.07,29.56) ; v1(55.93,29.56) 57.378,29.56 M1.7
  Bottom Layer w0.254: v1(52.07,29.56) v1(55.93,29.56)
Key3: C18.2 J8.3 M1.15 R11.1 | length 30.3
  Top Layer w0.254: J8.3 42.896,6.984 C18.2 44.026,6.994 R11.1 44.994,6.974 45.3,7.28 v1(45.3,7.67) ; v1(56.65,10.37) 58.11,10.37 59.155,11.415 M1.15
  Bottom Layer w0.254: v1(45.3,7.67) 53.18,7.67 55.88,10.37 v1(56.65,10.37)
LED_A: J6.9 M1.33 | length 23.9
  Top Layer w0.25: M1.33 76.252,28.278 79.08,25.45 v1(91.8,25.45)
  Bottom Layer w0.25: v1(91.8,25.45) 91.8,21.77 92.34,21.23 J6.9
LED_B: J6.10 M1.34 | length 29.5
  Top Layer w0.254: M1.34 75.772,29.548 79.3,26.02 90.62,26.02 v1(91.055,26.455)
  Bottom Layer w0.254: v1(91.055,26.455) 91.055,20.755 91.81,20 95.04,20 J6.10
LED_B_con: BOOT.1 M1.27 R7.1 R14.1 | length 91.8
  Top Layer w0.25: M1.27@74.46,20.638 M1.27@74.469,20.658 ; BOOT.1@79.92,19.47 BOOT.1@87.15,19.47
  Top Layer w0.3: R14.1 10.75,9.28 v1(11.73,9.28) ; v1(74.3,11.73) 74.31,11.74 74.31,18.27 74.89,18.85 M1.27 ; M1.27@74.39,20.658 74.469,20.658 M1.27 ; R7.1@79.94,21.17 78.88,21.17 78.368,20.658 M1.27
  Top Layer w0.5: BOOT.1@79.92,19.47 R7.1
  Bottom Layer w0.3: v1(11.73,9.28) 14.09,9.28 18.06,5.31 47.43,5.31 48.57,6.45 54.02,6.45 56.66,9.09 59.58,9.09 62.19,11.7 74.27,11.7 v1(74.3,11.73)
LED_C: J6.11 M1.35 | length 27.3
  Top Layer w0.254: M1.35 75.282,30.818 79.27,26.83 v1(89.63,26.83)
  Bottom Layer w0.254: v1(89.63,26.83) 89.63,20.931 91.871,18.69 J6.11
LED_CLK: J6.13 M1.28 | length 25.3
  Top Layer w0.254: M1.28 77.568,21.928 78.28,22.64 87.89,22.64 88.79,21.74 88.79,16.64 89.28,16.15 J6.13
  Top Layer w0.3: M1.28@74.39,21.928 M1.28
LED_G_con: M1.26 R12.1 | length 75.4
  Top Layer w0.3: R12.1 10.8,11.78 10.99,11.97 11.02,11.94 v1(11.6,11.94) ; M1.26 73.125,17.835 73.57,17.39 73.51,17.33 v1(73.51,12.35)
  Bottom Layer w0.3: v1(11.6,11.94) 13.45,11.94 19.49,5.9 47.16,5.9 48.25,6.99 53.54,6.99 56.16,9.61 59.25,9.61 61.99,12.35 v1(73.51,12.35)
LED_LAT: J6.14 M1.29 | length 27.3
  Top Layer w0.254: M1.29 88.192,23.198 89.44,21.95 89.44,17.73 89.77,17.4 95.02,17.4 J6.14
  Top Layer w0.3: M1.29@74.39,23.198 M1.29
LED_OE: J6.15 M1.30 | length 27.7
  Top Layer w0.254: M1.30 77.542,24.468 78.17,23.84 88.79,23.84 90.1,22.53 v1(90.1,18.26)
  Bottom Layer w0.254: v1(90.1,18.26) 90.1,15.1 91.59,13.61 J6.15
LED_R_con: M1.8 R3.1 | length 63.2
  Top Layer w0.25: R3.1 10.71,14.71 10.76,14.66 v1(11.63,14.66) ; v1(51.045,12.235) 51.045,27.295 v1(51.94,28.19) ; v1(56.05,28.19) 57.302,28.19 M1.8
  Bottom Layer w0.25: v1(11.63,14.66) 14.8,14.66 17.225,12.235 v1(51.045,12.235) ; v1(51.94,28.19) v1(56.05,28.19)
LED_RGB1: J6.1 J6.2 J6.3 M1.31 | length 30.5
  Top Layer w0.25: M1.31@74.39,25.738 M1.31 77.152,25.738 78.56,24.33 89.3,24.33 v1(90.3,23.33) ; J6.3 J6.1 J6.2
  Bottom Layer w0.25: v1(90.3,23.33) 90.3,28.15 91,28.85 J6.3
LED_RGB2: J6.5 J6.6 J6.7 M1.32 | length 25.3
  Top Layer w0.254: M1.32 76.762,27.008 78.95,24.82 91.58,24.82 92.63,23.77 J6.7 J6.5 J6.6
NetC5_1: C5.1 L2.1 PS1.3 | length 19.4
  Top Layer w2: PS1.3@33.48,27.73 33.48,19.23 34.19,18.52 39.11,18.52 40.22,19.63 L2.1
NetC9_1: C9.1 D1.C L1.1 | length 27.1
  Top Layer w1.8: C9.1@3.76,33.56 3.76,29.34 6.09,27.01 14.95,27.01 18.44,23.52 L1.1@20.36,23.52 ; D1.C 20.36,23.48 L1.1
NetD1_A: D1.A J1.1 | length 15.3
  Top Layer w2: J1.1@13.72,23.7 13.72,16.56 17.34,12.94 D1.A
NetJ2_2: J2.2 Q1.3 | length 3.1
  Top Layer w0.5: J2.2 Q1.3
NetJ2_3: J2.3 Q3.3 | length 3.1
  Top Layer w0.5: J2.3 2.69,11.25 Q3.3
NetJ2_4: J2.4 Q4.3 | length 3.1
  Top Layer w0.5: J2.4 Q4.3
NetJ5_1: J5.1 Q2.3 | length 4.1
  Top Layer w0.5: J5.1 Q2.3@13.594,6.884
NetLED1_A: LED1.A R1.1 | length 1.6
  Top Layer w0.5: R1.1@14.55,36.17 LED1.A
NetLED2_A: LED2.A R2.1 | length 1.6
  Top Layer w0.5: R2.1 LED2.A
NetQ1_1: Q1.1 R3.2 R4.2 | length 4.2
  Top Layer w0.254: Q1.1 10.63,13.13 R3.2
  Top Layer w0.5: R4.2 R3.2
NetQ2_1: Q2.1 R6.2 R8.2 | length 2.6
  Top Layer w0.5: Q2.1 18.065,6.268 R6.2
NetQ3_1: Q3.1 R12.2 R13.2 | length 3.1
  Top Layer w0.254: Q3.1 8.55,10.6 8.74,10.41 R13.2 R12.2
NetQ4_1: Q4.1 R14.2 R15.2 | length 3.2
  Top Layer w0.254: Q4.1 8.44,8.05 8.77,7.72 R14.2
Reed_Switch: C19.2 J11.1 M1.16 R16.1 | length 43.5
  Top Layer w0.254: J11.1 C19.2 R16.1 33.88,6.97 34.35,7.44 34.35,9.93 35.33,10.91 47.466,10.91 48.9,12.344 v1(48.9,12.86) ; v1(60.41,12.87) 60.41,19.393 M1.16
  Bottom Layer w0.254: v1(48.9,12.86) 48.91,12.87 v1(60.41,12.87)
U0RXD/LED_D: J3.3 J6.12 M1.36 | length 54.6
  Top Layer w0.25: M1.36@74.39,32.088 M1.36 77.028,32.088 77.84,32.9 84.83,32.9 85.6,33.67 J3.3
  Bottom Layer w0.25: J3.3 85.6,38.68 88.07,36.21 95.75,36.21 98.47,33.49 98.47,19.53 97.63,18.69 J6.12
U0TXD/LED_E: J3.2 J6.8 M1.37 | length 47.3
  Top Layer w0.25: M1.37@74.39,33.358 M1.37 82.388,33.358 83.06,34.03 J3.2
  Bottom Layer w0.25: J3.2 83.06,38.64 86.24,35.46 95.48,35.46 97.94,33 97.94,24.79 96.92,23.77 J6.8
pads on no net: J4.2 J4.3 J4.4
copper on no net: | length 2.9
  Mid-Layer 2 w0.203: -142.088,73.69 -140.121,75.658 -140.121,75.758

## Polygon pours and split planes (outlines as drawn)
GND on Bottom Layer "GND_L03_P000" (solid, remove dead copper, pour order 0): 0,45 0,0 100,0 100,45
GND on Top Layer "GND_L01_P001" (solid, remove dead copper, pour order 1): 0,45 0,0 100,0 100,45

## Keep-outs
Keep-Out Layer:
  the board outline again, w0.1

## Other copper
Top Layer:
  pour cut-out: 76.21,37.703 56.12,37.703 56.12,46.803 76.21,46.803
Bottom Layer:
  pour cut-out: 76.21,37.703 56.11,37.703 56.11,46.803 76.21,46.803

## Silkscreen, mask and mechanical layers (free items; w line width, h text height)
Top Overlay:
  lines w0.2: 57.215,11.102 79.982,11.102 ; 59.575,8.102 59.575,14.102 ; 61.935,8.102 61.935,14.102 ; 64.615,8.102 64.615,14.102 ; 67.065,8.102 67.065,14.102 ; 69.515,8.102 69.515,14.102 ; 72.075,8.102 72.075,14.102 ; 74.795,8.102 74.795,14.102 ; 77.425,8.102 77.425,14.102 ; 57.215,8.102 57.215,14.102 79.96,14.102 79.96,8.102 57.215,8.102
  text "3V3" at 79.35,43.47 h1.2
  text "TXD" at 81.89,43.47 h1.2
  text "RXD" at 84.43,43.47 h1.2
  text "GND" at 86.97,43.47 h1.2
  text "+5V" at 12.95,40.62 h1.52 r90
  text "+3.3V" at 15,40.42 h1.52 r90
  text "Debug" at 79.2,39.31 h1.52
  text "LED Matrix" at 91.88,36.6 h1.52
  text "V+" at 0.3,17.08 h1.2 r270
  text "LED" at 4.4,16.17 h1.52
  text "Humidity Regulator" at 52.04,15.5 h3
  text "R" at 0.25,14.12 h1.2 r270
  text "D8" at 68.605,12.148 h0.8 r90
  text "D6" at 71.16,12.148 h0.8 r90
  text "D4" at 73.855,12.148 h0.8 r90
  text "D2" at 76.51,12.098 h0.8 r90
  text "PWR" at 79.01,11.86 h0.8 r90
  text "GND" at 58.67,11.79 h0.8 r90
  text "SIOD" at 61.06,11.7 h0.8 r90
  text "G" at 0.25,11.6 h1.2 r270
  text "MCLK" at 66.15,11.58 h0.8 r90
  text "HSYNC" at 63.64,11.4 h0.8 r90
  text "D7" at 71.16,9.188 h0.8 r90
  text "D3" at 76.51,9.19 h0.8 r90
  text "D9" at 68.6,9.14 h0.8 r90
  text "D5" at 73.88,9.14 h0.8 r90
  text "RST" at 79.045,9.14 h0.8 r90
  text "3V3" at 58.68,8.96 h0.8 r90
  text "B" at 0.25,8.93 h1.2 r270
  text "SIOC" at 61.065,8.7 h0.8 r90
  text "PCLK" at 66.185,8.552 h0.8 r90
  text "VSYNC" at 63.68,8.33 h0.8 r90
  text "Camera(OV2640)" at 57.03,6.24 h1.52
  text "DHT22" at 47.57,4.57 h1.52
  text "LED Matrix Power" at 81.5,4.52 h1.52
  text "KEYs" at 36.552,4.49 h1.52
  text "REED" at 30.43,4.37 h1.52
  text "FAN" at 12.344,4.344 h1.52
  text "Key2" at 39.202,0.57 h1.2
  text "Key3" at 41.732,0.57 h1.2
  text "Key1" at 36.642,0.54 h1.2
  text "3V3" at 47.75,0.53 h1.2
  text "GND" at 44.276,0.494 h1.2
  text "SIG" at 50.66,0.5 h1.2
  text "GND" at 89.53,0.49 h1.2
  text "GND" at 53.07,0.46 h1.2
  text "5V" at 82.29,0.46 h1.2
  text "5V" at 84.83,0.46 h1.2
  text "GND" at 33.63,0.44 h1.2
  text "GND" at 86.83,0.45 h1.2
  text "REED" at 30.43,0.41 h1.2
  text "FAN-" at 12.24,0.31 h1.2
  text "FAN+" at 14.89,0.27 h1.2
  text "Humidifier" at 20.37,0.23 h1.52 r90

## Dimensions
0,0 to 0,45 on Top Overlay
0,0 to 100,0 on Top Overlay